# Altium PCB roach2.PcbDoc (part 12 of 39)
Units mil, origin at the board's own origin, x right, y up, seen from the top; angles counter-clockwise.
Board outline 12007.87 x 9606.3 mil, 16 copper layers (L1_TOP, L2_G, L3_S, L4_G, L5_S, L6_P, L7_G, L8_R, L9_R, L10_P, L11_P, L12_S, L13_P, L14_S, L15_G, L16_BOT), stack 81.651 mil thick; 1608 components, 1934 nets, 9335 pads, 6759 vias.
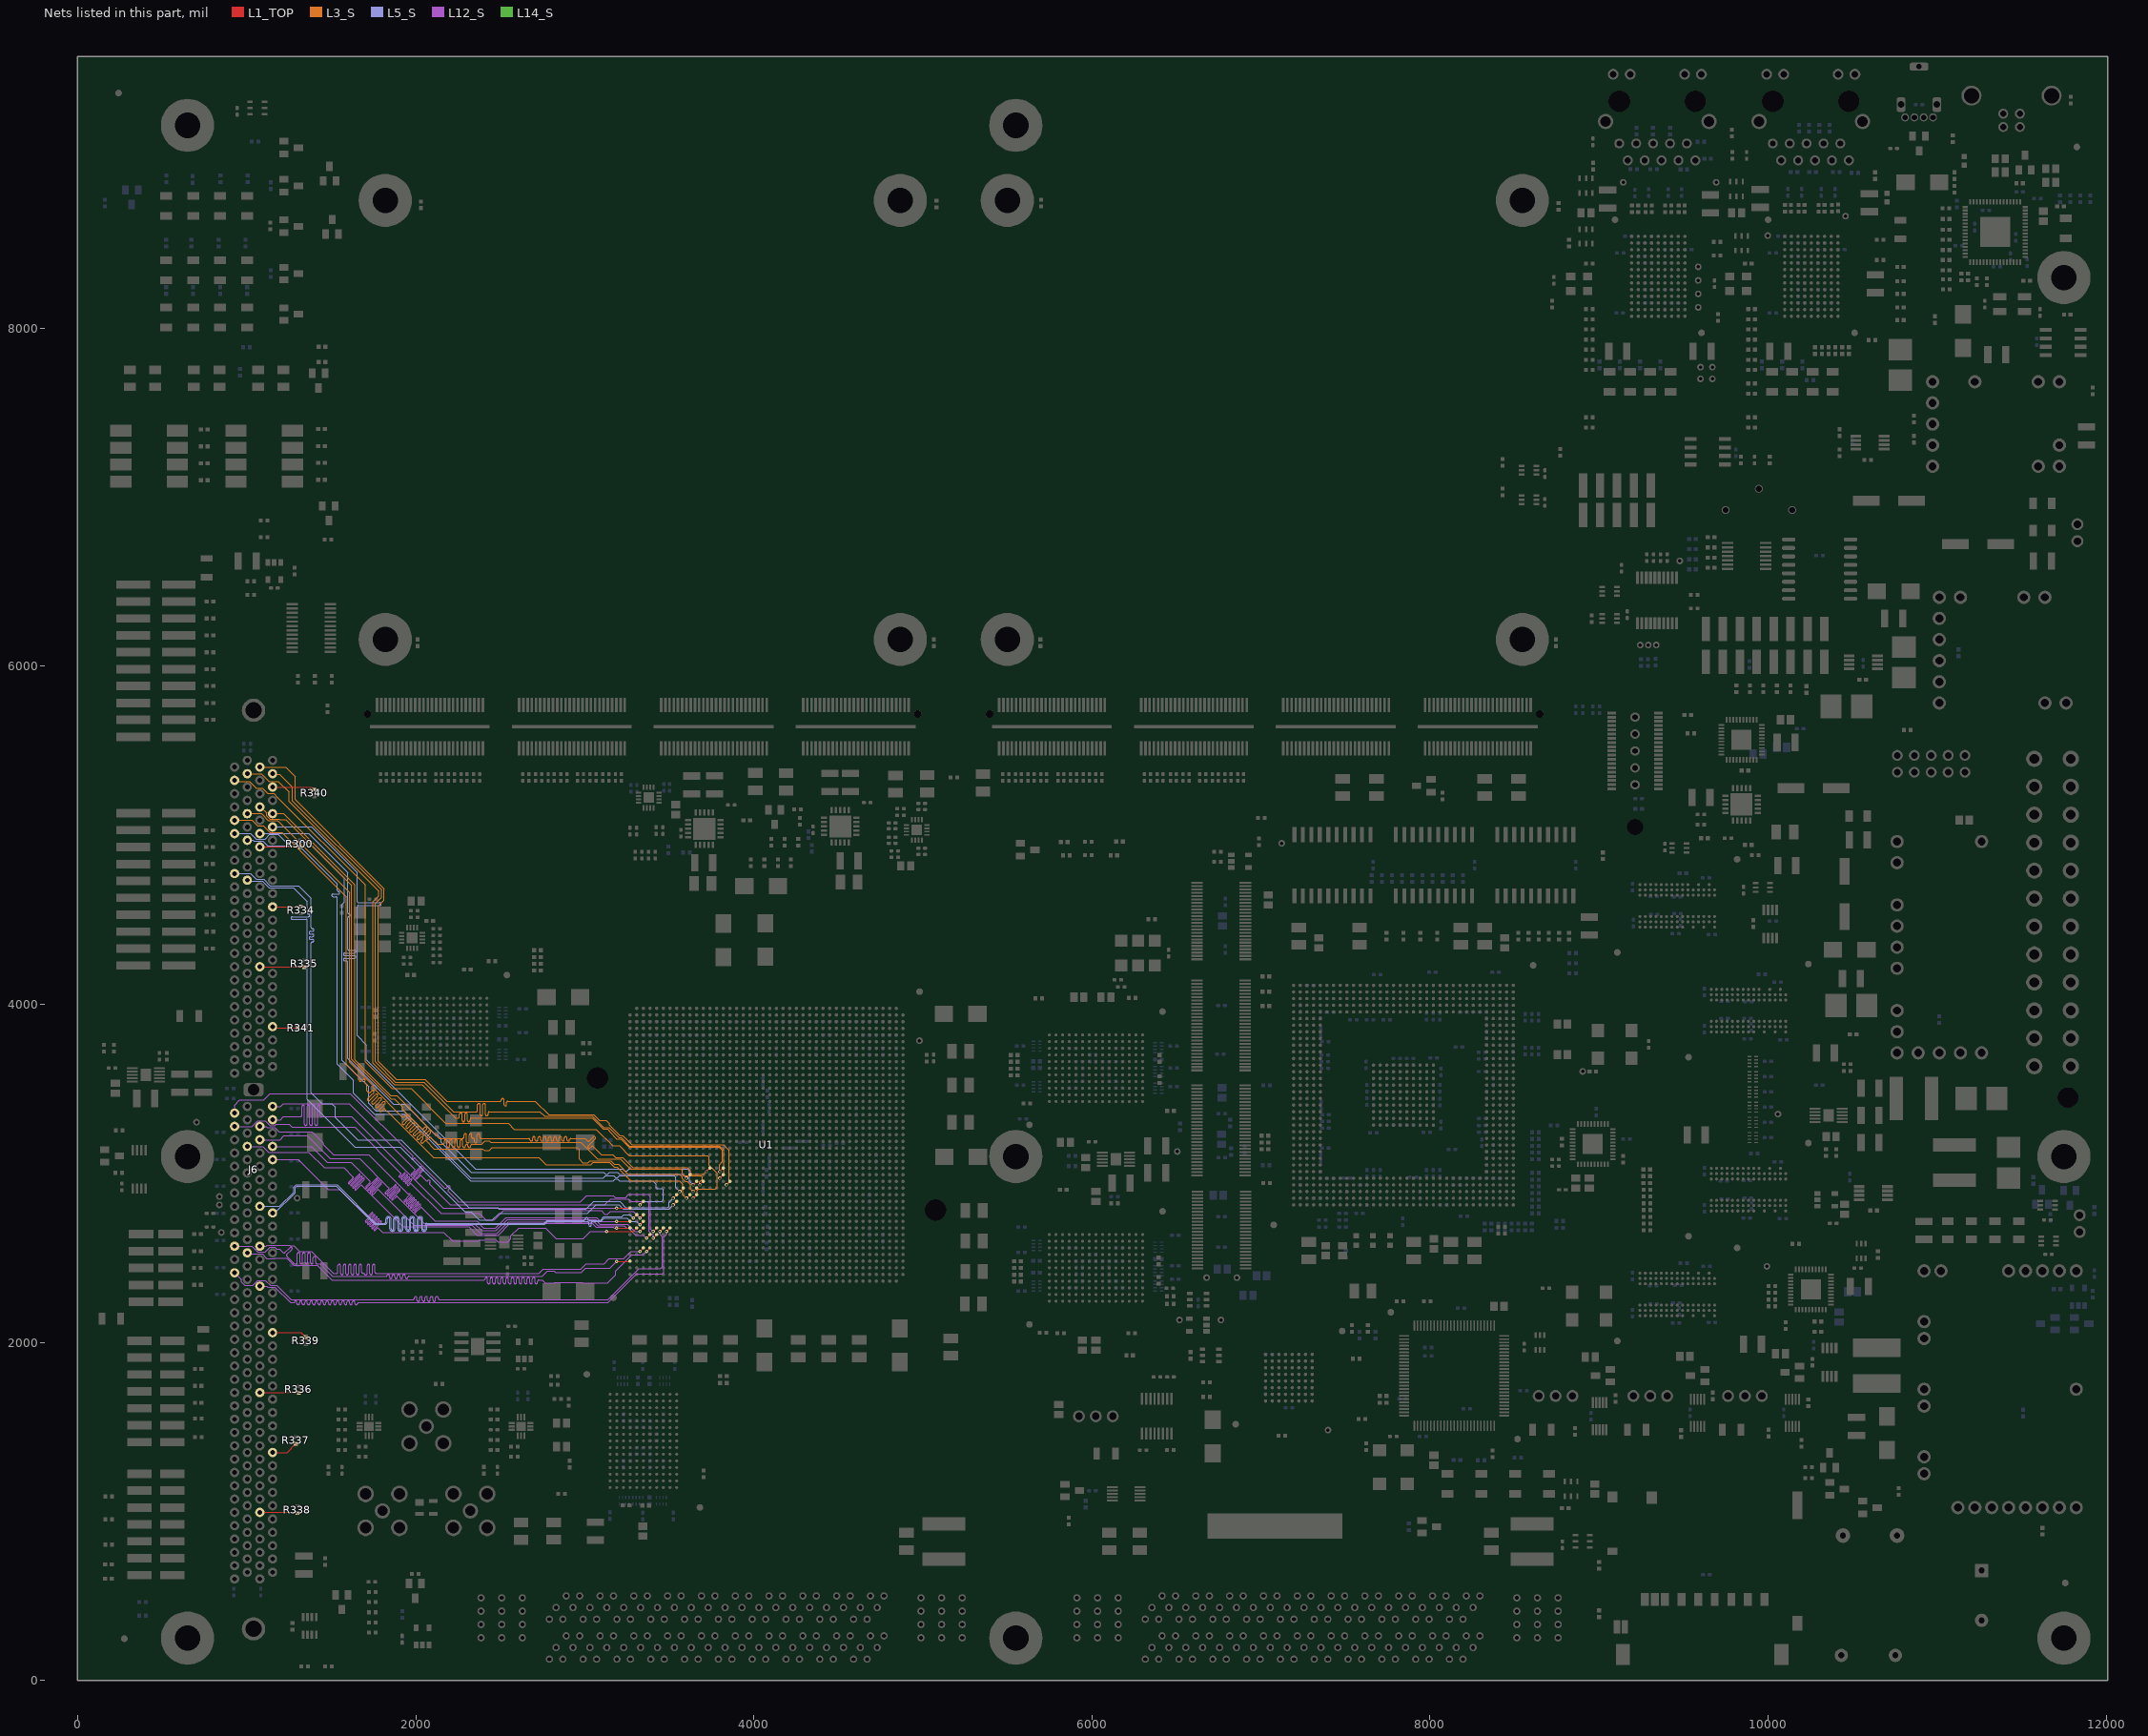
[diagram p26: the nets of this part, all layers, seen from the top]

## Via types
v1: diameter 19.4, hole 10, L1_TOP to L16_BOT, tented both sides, 3354 vias
v2: diameter 19.4, hole 10, L1_TOP to L16_BOT, 1884 vias
v3: diameter 19.4, hole 10, L1_TOP to L16_BOT, tented top, 410 vias
v4: diameter 18.6, hole 10, L1_TOP to L16_BOT, tented both sides, 311 vias
v5: diameter 59.06, hole 39.37, L1_TOP to L16_BOT, 217 vias
v6: diameter 19, hole 10, L1_TOP to L16_BOT, 198 vias
v7: diameter 19.4, hole 10.04, L1_TOP to L16_BOT, 125 vias
v8: diameter 19.4, hole 10, L1_TOP to L16_BOT, tented bottom, 80 vias
v9: diameter 25.98, hole 12.99, L1_TOP to L16_BOT, tented top, 59 vias
v10: diameter 20, hole 10, L1_TOP to L16_BOT, 52 vias
v11: diameter 59.06, hole 39.37, L1_TOP to L16_BOT, tented top, 44 vias
v12: diameter 20, hole 10, L1_TOP to L16_BOT, tented top, 16 vias
v13: diameter 19, hole 10, L1_TOP to L16_BOT, tented top, 5 vias
v14: diameter 50, hole 28, L1_TOP to L16_BOT, 4 vias

## Nets (pads, with @x,y where several pads share a name; then routed paths per layer and width w, separated by ;. In a path a pad name is that pad's centre, name@x,y a point inside that pad or via, vN(x,y) a via of type N, cw(c..) or ccw(c..) an arc to the next point about the centre after c; other vN are vias at no path point) (continued)
DDR3.A8: J6.177 U1.BA34 | length 3134.6
  L1_TOP w5: v2(3129.02,2655.94) 3286.5,2655.94 U1.BA34@3306.19,2675.63
  L12_S w3.8: J6.177@1152.6,3080.79 1305.2,3080.79 1480.99,2904.99 1548.99,2904.99 1710.11,2743.87 ccw(c1713.22,2746.98) 1716.34,2743.87 1739.28,2766.82 cw(c1742.39,2763.71) 1745.5,2766.82 cw(c1742.39,2763.71) 1745.5,2760.6 1703.39,2718.48 ; 1852.99,2650.99 1856.99,2650.99 ; v2(3129.02,2655.94) 3031.94,2655.94 2990.99,2614.99 2828.99,2614.99 2766.99,2676.99 2608.99,2676.99 2562.99,2630.99 2562.99,2614.37 2544.01,2595.39 2484.59,2595.39 2474.99,2604.99 2374.99,2604.99 2368.99,2598.99 2216.99,2598.99 2164.99,2650.99 1856.99,2650.99 ; 1703.39,2712.26 ccw(c1706.5,2715.37) 1709.61,2712.26 1725.67,2728.32 1751.73,2754.37 cw(c1754.84,2751.26) 1757.95,2754.37 cw(c1754.84,2751.26) 1757.95,2748.15 1731.89,2722.09 1715.83,2706.04 ccw(c1718.95,2702.92) 1715.83,2699.81 ; 1703.39,2712.26 cw(c1706.5,2715.37) 1703.39,2718.48 ; 1703.39,2712.26 cw(c1706.5,2715.37) 1703.39,2718.48 ; 1715.83,2699.81 ccw(c1718.95,2702.92) 1722.06,2699.81 ; 1715.83,2699.81 ccw(c1718.95,2702.92) 1722.06,2699.81 ; 1722.06,2699.81 1764.17,2741.93 cw(c1767.28,2738.82) 1770.39,2741.93 cw(c1767.28,2738.82) 1770.39,2735.7 1744.34,2709.65 1728.28,2693.59 ; 1728.28,2687.37 ccw(c1731.39,2690.48) 1734.5,2687.37 1776.62,2729.48 cw(c1779.73,2726.37) 1782.84,2729.48 cw(c1779.73,2726.37) 1782.84,2723.26 1756.78,2697.2 1740.72,2681.14 ccw(c1743.84,2678.03) 1740.72,2674.92 ccw(c1743.84,2678.03) 1746.95,2674.92 1789.06,2717.04 ; 1728.28,2687.37 cw(c1731.39,2690.48) 1728.28,2693.59 ; 1728.28,2687.37 cw(c1731.39,2690.48) 1728.28,2693.59 ; 1772.34,2675.42 cw(c1775.45,2672.31) 1778.56,2675.42 ; 1772.34,2675.42 cw(c1775.45,2672.31) 1778.56,2675.42 ; 1772.34,2675.42 1759.39,2662.48 cw(c1756.28,2665.59) 1753.17,2662.48 cw(c1756.28,2665.59) 1753.17,2668.7 1769.23,2684.76 1795.28,2710.81 ccw(c1792.17,2713.93) 1795.28,2717.04 ; 1778.56,2675.42 1802.99,2650.99 1856.99,2650.99 ; 1789.06,2717.04 cw(c1792.17,2713.93) 1795.28,2717.04 ; 1789.06,2717.04 cw(c1792.17,2713.93) 1795.28,2717.04
DDR3.A9: J6.175 U1.AW35 | length 3127.6
  L1_TOP w5: v1(3365.24,2616.57) U1.AW35@3384.93,2636.26
  L12_S w3.8: J6.175@1152.6,3159.53 1382.46,3159.53 1476.99,3064.99 1552.99,3064.99 ; 1550.99,3064.99 1552.99,3064.99 ; v1(3365.24,2616.57) 3346.82,2634.99 3300.99,2634.99 3258.99,2676.99 3246.99,2676.99 3232.75,2691.23 3076.75,2691.23 3054.99,2712.99 2546.99,2712.99 2478.99,2644.99 2380.99,2644.99 2332.99,2692.99 1988.99,2692.99 1779.9,2902.08 ccw(c1776.79,2898.97) 1773.68,2902.08 1748.84,2877.24 cw(c1745.73,2880.35) 1742.62,2877.24 cw(c1745.73,2880.35) 1742.62,2883.47 1797.52,2938.37 ccw(c1794.41,2941.48) 1797.52,2944.59 ccw(c1794.41,2941.48) 1791.3,2944.59 1736.4,2889.69 cw(c1733.28,2892.8) 1730.17,2889.69 cw(c1733.28,2892.8) 1730.17,2895.91 1758.12,2923.86 1785.07,2950.81 ; 1552.99,3064.99 1616.99,3064.99 1730.12,2951.86 ; 1730.12,2945.64 ccw(c1727.01,2948.75) 1730.12,2951.86 ; 1730.12,2945.64 ccw(c1727.01,2948.75) 1730.12,2951.86 ; 1730.12,2945.64 1705.28,2920.8 ccw(c1708.39,2917.69) 1705.28,2914.58 ccw(c1708.39,2917.69) 1711.51,2914.58 1766.41,2969.48 cw(c1769.52,2966.37) 1772.63,2969.48 ; 1772.63,2963.26 ccw(c1769.52,2966.37) 1772.63,2969.48 ; 1772.63,2963.26 ccw(c1769.52,2966.37) 1772.63,2969.48 ; 1772.63,2963.26 1717.73,2908.36 ccw(c1720.84,2905.24) 1717.73,2902.13 ccw(c1720.84,2905.24) 1723.95,2902.13 1778.85,2957.03 ; 1778.85,2957.03 cw(c1781.96,2953.92) 1785.07,2957.03 ; 1778.85,2957.03 cw(c1781.96,2953.92) 1785.07,2957.03 ; 1785.07,2950.81 ccw(c1781.96,2953.92) 1785.07,2957.03 ; 1785.07,2950.81 ccw(c1781.96,2953.92) 1785.07,2957.03
DDR3.A10: J6.70 U1.BB39 | length 3137.7
  L1_TOP w5: v2(3188.08,2478.78) U1.BB39@3266.82,2478.78
  L12_S w3.8: J6.70@928.19,2568.98 1030.48,2568.98 1063.94,2535.52 1111.19,2535.52 1138.74,2563.07 1166.46,2563.07 1178.53,2550.99 1194.99,2550.99 1215.02,2530.96 ccw(c1220.54,2536.48) 1226.06,2530.96 1255.98,2560.88 cw(c1261.5,2555.36) 1267.02,2560.88 cw(c1261.5,2555.36) 1267.02,2549.84 1237.1,2519.92 ccw(c1242.62,2514.4) 1237.1,2508.88 1280.99,2464.99 1291,2464.99 ccw(c1291,2472.8) 1298.81,2472.8 1298.81,2523.29 cw(c1306.61,2523.29) 1306.61,2531.1 cw(c1306.61,2523.29) 1314.42,2523.29 1314.42,2472.8 ccw(c1322.22,2472.8) 1322.22,2464.99 ccw(c1322.22,2472.8) 1330.03,2472.8 1330.03,2521.96 cw(c1337.83,2521.96) 1337.83,2529.77 cw(c1337.83,2521.96) 1345.64,2521.96 1345.64,2472.8 ccw(c1353.44,2472.8) 1353.44,2464.99 ccw(c1353.44,2472.8) 1361.25,2472.8 1361.25,2521.96 cw(c1369.05,2521.96) 1369.05,2529.77 cw(c1369.05,2521.96) 1376.86,2521.96 1376.86,2472.8 ccw(c1384.67,2472.8) 1384.67,2464.99 ccw(c1384.67,2472.8) 1392.47,2472.8 1392.47,2499.64 cw(c1400.28,2499.64) 1400.28,2507.45 cw(c1400.28,2499.64) 1408.08,2499.64 1408.08,2472.8 ccw(c1415.89,2472.8) 1415.89,2464.99 1432.99,2464.99 1437.54,2460.44 ccw(c1438.51,2461.41) 1439.48,2460.44 cw(c1445,2454.92) 1450.52,2460.44 cw(c1445,2454.92) 1450.52,2449.4 ccw(c1451.48,2448.43) 1450.52,2447.47 1506.99,2390.99 1826.4,2390.99 ccw(c1826.4,2393.39) 1828.8,2393.39 cw(c1836.6,2393.39) 1836.6,2401.19 cw(c1836.6,2393.39) 1844.41,2393.39 1844.41,2385.82 ccw(c1852.21,2385.82) 1852.21,2378.02 ccw(c1852.21,2385.82) 1860.02,2385.82 1860.02,2392.16 cw(c1867.83,2392.16) 1867.83,2399.97 cw(c1867.83,2392.16) 1875.63,2392.16 1875.63,2385.82 ccw(c1883.44,2385.82) 1883.44,2378.02 ccw(c1883.44,2385.82) 1891.24,2385.82 1891.24,2392.16 cw(c1899.05,2392.16) 1899.05,2399.97 cw(c1899.05,2392.16) 1906.85,2392.16 1906.85,2385.82 ccw(c1914.66,2385.82) 1914.66,2378.02 ccw(c1914.66,2385.82) 1922.46,2385.82 1922.46,2392.16 cw(c1930.27,2392.16) 1930.27,2399.97 cw(c1930.27,2392.16) 1938.07,2392.16 1938.07,2385.82 ccw(c1945.88,2385.82) 1945.88,2378.02 ccw(c1945.88,2385.82) 1953.69,2385.82 ; 1953.69,2384.6 cw(c1960.08,2384.6) 1960.08,2390.99 2746.99,2390.99 2779.07,2423.07 2817.67,2423.07 2827.37,2413.37 2978.62,2413.37 3004.24,2438.99 3148.29,2438.99 v2(3188.08,2478.78) ; 1953.69,2384.87 1953.69,2385.55
DDR3.A11: J6.55 U1.BB34 | length 3134.6
  L1_TOP w5: v2(3188.08,2675.63) U1.BB34@3266.82,2675.63
  L12_S w3.8: J6.55@1002.99,3159.53 1094.46,3159.53 1128.99,3124.99 1366.99,3124.99 1458.99,3032.99 1574.99,3032.99 1629.21,2978.77 cw(c1626.1,2975.66) 1629.21,2972.55 1602.95,2946.29 ccw(c1606.06,2943.17) 1602.95,2940.06 ; v2(3188.08,2675.63) 3174.35,2675.63 3168.99,2680.99 3066.99,2680.99 3044.56,2703.42 2557.42,2703.42 2488.99,2634.99 2360.99,2634.99 2312.56,2683.42 1924.56,2683.42 1678.99,2928.99 ccw(c1675.88,2925.88) 1672.77,2928.99 1646.51,2902.73 cw(c1643.39,2905.84) 1640.28,2902.73 ; 1602.95,2940.06 ccw(c1606.06,2943.17) 1609.17,2940.06 ; 1602.95,2940.06 ccw(c1606.06,2943.17) 1609.17,2940.06 ; 1609.17,2940.06 1663.92,2994.81 cw(c1667.03,2991.7) 1670.14,2994.81 cw(c1667.03,2991.7) 1670.14,2988.59 1615.39,2933.84 ; 1615.39,2927.62 ccw(c1618.5,2930.73) 1621.62,2927.62 1676.37,2982.37 ; 1615.39,2927.62 cw(c1618.5,2930.73) 1615.39,2933.84 ; 1615.39,2927.62 cw(c1618.5,2930.73) 1615.39,2933.84 ; 1627.84,2915.17 cw(c1630.95,2918.28) 1627.84,2921.4 1657.21,2950.77 1682.59,2976.15 ccw(c1679.48,2979.26) 1682.59,2982.37 ; 1627.84,2915.17 ccw(c1630.95,2918.28) 1634.06,2915.17 ; 1627.84,2915.17 ccw(c1630.95,2918.28) 1634.06,2915.17 ; 1634.06,2915.17 1688.81,2969.92 cw(c1691.92,2966.81) 1695.03,2969.92 cw(c1691.92,2966.81) 1695.03,2963.7 1640.28,2908.95 ; 1640.28,2902.73 cw(c1643.39,2905.84) 1640.28,2908.95 ; 1640.28,2902.73 cw(c1643.39,2905.84) 1640.28,2908.95 ; 1676.37,2982.37 cw(c1679.48,2979.26) 1682.59,2982.37 ; 1676.37,2982.37 cw(c1679.48,2979.26) 1682.59,2982.37
DDR3.A12: J6.174 U1.AY34 | length 3134.5
  L1_TOP w5: v1(3325.87,2655.94) U1.AY34@3345.56,2675.63
  L12_S w3.8: J6.174@1077.8,3198.9 1196.9,3198.9 1220.99,3222.99 1356.99,3222.99 1492.99,3086.99 1666.99,3086.99 1840.7,2913.28 cw(c1837.59,2910.17) 1840.7,2907.06 1820.19,2886.55 ccw(c1823.3,2883.44) 1820.19,2880.32 ; v1(3325.87,2655.94) 3296.04,2655.94 3252.58,2699.4 3090.58,2699.4 3062.99,2726.99 2540.99,2726.99 2474.99,2660.99 2388.99,2660.99 2344.99,2704.99 2048.99,2704.99 1890.48,2863.5 ccw(c1887.37,2860.39) 1884.26,2863.5 1863.75,2842.99 cw(c1860.64,2846.1) 1857.53,2842.99 ; 1820.19,2880.32 ccw(c1823.3,2883.44) 1826.41,2880.32 ; 1820.19,2880.32 ccw(c1823.3,2883.44) 1826.41,2880.32 ; 1826.41,2880.32 1850.04,2903.95 1876.66,2930.57 cw(c1879.77,2927.46) 1882.88,2930.57 cw(c1879.77,2927.46) 1882.88,2924.35 1856.26,2897.72 1832.64,2874.1 ; 1832.64,2867.88 ccw(c1835.75,2870.99) 1838.86,2867.88 1862.48,2891.5 1889.1,2918.13 ; 1832.64,2867.88 cw(c1835.75,2870.99) 1832.64,2874.1 ; 1832.64,2867.88 cw(c1835.75,2870.99) 1832.64,2874.1 ; 1845.08,2855.43 cw(c1848.19,2858.55) 1845.08,2861.66 1868.7,2885.28 1895.33,2911.9 ccw(c1892.22,2915.01) 1895.33,2918.13 ; 1845.08,2855.43 ccw(c1848.19,2858.55) 1851.3,2855.43 ; 1845.08,2855.43 ccw(c1848.19,2858.55) 1851.3,2855.43 ; 1851.3,2855.43 1874.93,2879.06 1901.55,2905.68 cw(c1904.66,2902.57) 1907.77,2905.68 cw(c1904.66,2902.57) 1907.77,2899.46 1881.15,2872.83 1857.53,2849.21 ; 1857.53,2842.99 cw(c1860.64,2846.1) 1857.53,2849.21 ; 1857.53,2842.99 cw(c1860.64,2846.1) 1857.53,2849.21 ; 1889.1,2918.13 cw(c1892.22,2915.01) 1895.33,2918.13 ; 1889.1,2918.13 cw(c1892.22,2915.01) 1895.33,2918.13
DDR3.A13: J6.196 U1.AT34 | length 3145.5
  L1_TOP w5: v1(3483.35,2655.94) U1.AT34@3503.04,2675.63
  L12_S w3.8: J6.196@1077.8,2332.76 1117.23,2332.76 1123.14,2326.85 1166.46,2326.85 1258.31,2234.99 1273,2234.99 1278.41,2234.99 ccw(c1278.41,2237.39) 1280.81,2237.39 cw(c1288.61,2237.39) 1288.61,2245.19 cw(c1288.61,2237.39) 1296.42,2237.39 1296.42,2234.99 1296.42,2230.86 ccw(c1304.22,2230.86) 1304.22,2223.05 ccw(c1304.22,2230.86) 1312.03,2230.86 1312.03,2234.99 1312.03,2237.13 cw(c1319.83,2237.13) 1319.83,2244.93 cw(c1319.83,2237.13) 1327.64,2237.13 1327.64,2234.99 1327.64,2230.86 ccw(c1335.44,2230.86) 1335.44,2223.05 ccw(c1335.44,2230.86) 1343.25,2230.86 1343.25,2234.99 1343.25,2237.13 cw(c1351.05,2237.13) 1351.05,2244.93 cw(c1351.05,2237.13) 1358.86,2237.13 1358.86,2234.99 1358.86,2230.86 ccw(c1366.67,2230.86) 1366.67,2223.05 ccw(c1366.67,2230.86) 1374.47,2230.86 1374.47,2234.99 1374.47,2237.13 cw(c1382.28,2237.13) 1382.28,2244.93 cw(c1382.28,2237.13) 1390.08,2237.13 1390.08,2234.99 1390.08,2230.86 ccw(c1397.89,2230.86) 1397.89,2223.05 ccw(c1397.89,2230.86) 1405.69,2230.86 1405.69,2234.99 1405.69,2237.13 cw(c1413.5,2237.13) 1413.5,2244.93 cw(c1413.5,2237.13) 1421.3,2237.13 1421.3,2234.99 1421.3,2230.86 ccw(c1429.11,2230.86) 1429.11,2223.05 ccw(c1429.11,2230.86) 1436.92,2230.86 1436.92,2234.99 1436.92,2237.13 cw(c1444.72,2237.13) 1444.72,2244.93 cw(c1444.72,2237.13) 1452.53,2237.13 1452.53,2234.99 1452.53,2230.86 ccw(c1460.33,2230.86) 1460.33,2223.05 ccw(c1460.33,2230.86) 1468.14,2230.86 1468.14,2234.99 1468.14,2237.13 cw(c1475.94,2237.13) 1475.94,2244.93 cw(c1475.94,2237.13) 1483.75,2237.13 1483.75,2234.99 1483.75,2230.86 ccw(c1491.55,2230.86) 1491.55,2223.05 ccw(c1491.55,2230.86) 1499.36,2230.86 1499.36,2234.99 1499.36,2237.13 cw(c1507.16,2237.13) 1507.16,2244.93 cw(c1507.16,2237.13) 1514.97,2237.13 1514.97,2234.99 1514.97,2230.86 ccw(c1522.78,2230.86) 1522.78,2223.05 ccw(c1522.78,2230.86) 1530.58,2230.86 1530.58,2234.99 1530.58,2237.13 cw(c1538.39,2237.13) 1538.39,2244.93 cw(c1538.39,2237.13) 1546.19,2237.13 1546.19,2234.99 1546.19,2230.86 ccw(c1554,2230.86) 1554,2223.05 ccw(c1554,2230.86) 1561.8,2230.86 1561.8,2234.99 1561.8,2237.13 cw(c1569.61,2237.13) 1569.61,2244.93 cw(c1569.61,2237.13) 1577.41,2237.13 1577.41,2234.99 1577.41,2230.86 ccw(c1585.22,2230.86) 1585.22,2223.05 ccw(c1585.22,2230.86) 1593.03,2230.86 1593.03,2234.99 1593.03,2237.13 cw(c1600.83,2237.13) 1600.83,2244.93 cw(c1600.83,2237.13) 1608.64,2237.13 1608.64,2234.99 1608.64,2230.86 ccw(c1616.44,2230.86) 1616.44,2223.05 ccw(c1616.44,2230.86) 1624.25,2230.86 1624.25,2234.99 1624.25,2237.13 cw(c1632.05,2237.13) 1632.05,2244.93 cw(c1632.05,2237.13) 1639.86,2237.13 1639.86,2234.99 1639.86,2230.86 ccw(c1647.66,2230.86) 1647.66,2223.05 ccw(c1647.66,2230.86) 1655.47,2230.86 1655.47,2230.62 cw(c1659.87,2230.6) 1659.87,2234.99 1671,2234.99 1702.99,2234.99 ; 1700.99,2234.99 1702.99,2234.99 ; v1(3483.35,2655.94) 3483.35,2638.64 3467.75,2623.04 3467.75,2413.75 3458.12,2404.12 3306.12,2404.12 3136.99,2234.99 2148.19,2234.99 1702.99,2234.99
DDR3.A14: J6.172 U1.BB33 | length 3127.6
  L1_TOP w5: v2(3188.08,2715) U1.BB33@3266.82,2715
  L12_S w3.8: J6.172@1077.8,3277.64 1116.35,3277.64 1122.26,3271.73 1166.46,3271.73 1191.19,3246.99 1386.53,3246.99 1454.53,3178.99 1454.53,3168.32 1513.86,3108.99 1722.99,3108.99 1953.07,2878.92 ccw(c1956.18,2882.03) 1959.29,2878.92 1959.34,2878.97 cw(c1962.45,2875.86) 1965.56,2878.97 cw(c1962.45,2875.86) 1965.56,2872.74 1932.24,2839.42 ccw(c1935.35,2836.31) 1932.24,2833.2 ccw(c1935.35,2836.31) 1938.46,2833.2 1968.62,2863.36 1971.78,2866.52 ; v2(3188.08,2715) 3092.98,2715 3070.99,2736.99 2532.99,2736.99 2472.99,2676.99 2400.99,2676.99 2360.99,2716.99 2114.99,2716.99 2033.96,2798.02 ccw(c2030.85,2794.91) 2027.74,2798.02 2000.69,2770.98 cw(c1997.58,2774.09) 1994.47,2770.98 cw(c1997.58,2774.09) 1994.47,2777.2 2027.79,2810.52 ccw(c2024.68,2813.63) 2027.79,2816.74 ccw(c2024.68,2813.63) 2021.56,2816.74 1988.24,2783.42 cw(c1985.13,2786.53) 1982.02,2783.42 cw(c1985.13,2786.53) 1982.02,2789.64 2012.18,2819.8 2015.34,2822.96 ; 1971.78,2866.52 cw(c1974.89,2863.41) 1978.01,2866.52 ; 1971.78,2866.52 cw(c1974.89,2863.41) 1978.01,2866.52 ; 1978.01,2866.52 cw(c1974.89,2863.41) 1978.01,2860.3 1944.69,2826.98 ccw(c1947.8,2823.87) 1944.69,2820.76 ccw(c1947.8,2823.87) 1950.91,2820.76 1984.23,2854.08 cw(c1987.34,2850.96) 1990.45,2854.08 ; 1990.45,2847.85 ccw(c1987.34,2850.96) 1990.45,2854.08 ; 1990.45,2847.85 ccw(c1987.34,2850.96) 1990.45,2854.08 ; 1990.45,2847.85 1987.29,2844.69 1957.13,2814.53 ccw(c1960.24,2811.42) 1957.13,2808.31 ccw(c1960.24,2811.42) 1963.35,2808.31 1993.51,2838.47 1996.67,2841.63 ; 1996.67,2841.63 cw(c1999.78,2838.52) 2002.9,2841.63 ; 1996.67,2841.63 cw(c1999.78,2838.52) 2002.9,2841.63 ; 2002.9,2841.63 cw(c1999.78,2838.52) 2002.9,2835.41 1969.58,2802.09 ccw(c1972.69,2798.98) 1969.58,2795.87 ccw(c1972.69,2798.98) 1975.8,2795.87 2009.12,2829.19 cw(c2012.23,2826.07) 2015.34,2829.19 ; 2015.34,2822.96 ccw(c2012.23,2826.07) 2015.34,2829.19 ; 2015.34,2822.96 ccw(c2012.23,2826.07) 2015.34,2829.19
DDR3.A15: J6.171 U1.BB31 | length 3145.5
  L1_TOP w5: v2(3188.08,2793.74) U1.BB31@3266.82,2793.74
  L12_S w3.8: J6.171@1152.6,3317.01 1199.01,3317.01 1216.99,3334.99 1318,3334.99 ccw(c1318,3342.8) 1325.81,3342.8 1325.81,3395.17 cw(c1333.61,3395.17) 1333.61,3402.98 cw(c1333.61,3395.17) 1341.42,3395.17 1341.42,3334.99 1341.42,3291.24 ccw(c1349.22,3291.24) 1349.22,3283.43 ccw(c1349.22,3291.24) 1357.03,3291.24 1357.03,3334.99 1357.03,3395.17 cw(c1364.83,3395.17) 1364.83,3402.98 cw(c1364.83,3395.17) 1372.64,3395.17 1372.64,3334.99 1372.64,3291.24 ccw(c1380.44,3291.24) 1380.44,3283.43 ccw(c1380.44,3291.24) 1388.25,3291.24 1388.25,3334.99 1388.25,3395.17 cw(c1396.05,3395.17) 1396.05,3402.98 cw(c1396.05,3395.17) 1403.86,3395.17 1403.86,3334.99 1403.86,3291.24 ccw(c1411.67,3291.24) 1411.67,3283.43 ccw(c1411.67,3291.24) 1419.47,3291.24 1419.47,3334.99 1419.47,3395.17 cw(c1427.28,3395.17) 1427.28,3402.98 cw(c1427.28,3395.17) 1435.08,3395.17 1435.08,3342.8 ccw(c1442.89,3342.8) 1442.89,3334.99 1500,3334.99 1618.99,3334.99 2160.24,2793.74 v2(3188.08,2793.74)
DDR3.BA0: J6.71 U1.AW37 | length 3143
  L1_TOP w5: v1(3365.24,2537.83) U1.AW37@3384.93,2557.52
  L12_S w3.8: J6.71@1002.99,2529.61 1008.9,2523.7 1091.66,2523.7 1119.2,2496.15 1166.46,2496.15 1167.3,2496.99 1237.96,2496.99 1277.76,2457.19 1416.79,2457.19 1504.99,2368.99 2401,2368.99 2402.41,2368.99 ccw(c2402.41,2375.39) 2408.81,2375.39 cw(c2416.61,2375.39) 2416.61,2383.19 cw(c2416.61,2375.39) 2424.42,2375.39 2424.42,2368.99 2424.42,2354.6 ccw(c2432.22,2354.6) 2432.22,2346.79 ccw(c2432.22,2354.6) 2440.03,2354.6 2440.03,2368.99 2440.03,2375.39 cw(c2447.83,2375.39) 2447.83,2383.19 cw(c2447.83,2375.39) 2455.64,2375.39 2455.64,2368.99 2455.64,2354.6 ccw(c2463.44,2354.6) 2463.44,2346.79 ccw(c2463.44,2354.6) 2471.25,2354.6 2471.25,2368.99 2471.25,2375.39 cw(c2479.05,2375.39) 2479.05,2383.19 cw(c2479.05,2375.39) 2486.86,2375.39 2486.86,2368.99 2486.86,2354.6 ccw(c2494.67,2354.6) 2494.67,2346.79 ccw(c2494.67,2354.6) 2502.47,2354.6 2502.47,2368.99 2502.47,2375.39 cw(c2510.28,2375.39) 2510.28,2383.19 cw(c2510.28,2375.39) 2518.08,2375.39 2518.08,2368.99 2518.08,2354.6 ccw(c2525.89,2354.6) 2525.89,2346.79 ccw(c2525.89,2354.6) 2533.69,2354.6 2533.69,2368.99 2533.69,2375.39 cw(c2541.5,2375.39) 2541.5,2383.19 cw(c2541.5,2375.39) 2549.3,2375.39 2549.3,2368.99 2549.3,2354.6 ccw(c2557.11,2354.6) 2557.11,2346.79 ccw(c2557.11,2354.6) 2564.92,2354.6 2564.92,2368.99 2564.92,2375.39 cw(c2572.72,2375.39) 2572.72,2383.19 cw(c2572.72,2375.39) 2580.53,2375.39 2580.53,2368.99 2580.53,2354.6 ccw(c2588.33,2354.6) 2588.33,2346.79 ccw(c2588.33,2354.6) 2596.14,2354.6 2596.14,2368.99 2596.14,2375.39 cw(c2603.94,2375.39) 2603.94,2383.19 cw(c2603.94,2375.39) 2611.75,2375.39 2611.75,2368.99 2611.75,2354.6 ccw(c2619.55,2354.6) 2619.55,2346.79 ccw(c2619.55,2354.6) 2627.36,2354.6 2627.36,2368.99 2627.36,2375.39 cw(c2635.16,2375.39) 2635.16,2383.19 cw(c2635.16,2375.39) 2642.97,2375.39 2642.97,2368.99 2642.97,2354.6 ccw(c2650.78,2354.6) 2650.78,2346.79 ccw(c2650.78,2354.6) 2658.58,2354.6 2658.58,2368.99 2658.58,2375.39 cw(c2666.39,2375.39) 2666.39,2383.19 cw(c2666.39,2375.39) 2674.19,2375.39 2674.19,2368.99 2674.19,2354.6 ccw(c2682,2354.6) 2682,2346.79 ccw(c2682,2354.6) 2689.8,2354.6 2689.8,2368.99 2689.8,2375.39 cw(c2697.61,2375.39) 2697.61,2383.19 cw(c2697.61,2375.39) 2705.41,2375.39 2705.41,2368.99 2705.41,2354.6 ccw(c2713.22,2354.6) 2713.22,2346.79 ccw(c2713.22,2354.6) 2721.03,2354.6 2721.03,2361.19 cw(c2728.83,2361.19) 2728.83,2368.99 2748.99,2368.99 2765.77,2352.21 2773.58,2352.21 2789.19,2352.21 2804.8,2352.21 2810,2352.21 2817.67,2352.21 2820.25,2354.79 2985.74,2354.79 2988.32,2352.21 3134.21,2352.21 3182.99,2400.99 3182.99,2420.99 3278.99,2516.99 3344.4,2516.99 v1(3365.24,2537.83)
DDR3.BA1: J6.190 U1.AY37 | length 3145.5
  L1_TOP w5: v1(3325.87,2537.83) U1.AY37@3345.56,2557.52
  L12_S w3.8: J6.190@1077.8,2568.98 1114.98,2568.98 1120.99,2574.99 1138.63,2574.99 1138.74,2574.89 1252.92,2574.89 1256.84,2570.96 1279.52,2570.96 1312.92,2537.56 1384.42,2537.56 1512.99,2408.99 1532,2408.99 ccw(c1532,2416.8) 1539.81,2416.8 1539.81,2453.63 cw(c1547.61,2453.63) 1547.61,2461.44 cw(c1547.61,2453.63) 1555.42,2453.63 1555.42,2408.99 1555.42,2408.35 ccw(c1563.22,2408.35) 1563.22,2400.55 ccw(c1563.22,2408.35) 1571.03,2408.35 1571.03,2408.99 1571.03,2453.63 cw(c1578.83,2453.63) 1578.83,2461.44 cw(c1578.83,2453.63) 1586.64,2453.63 1586.64,2408.99 1586.64,2408.35 ccw(c1594.44,2408.35) 1594.44,2400.55 ccw(c1594.44,2408.35) 1602.25,2408.35 1602.25,2408.99 1602.25,2453.63 cw(c1610.05,2453.63) 1610.05,2461.44 cw(c1610.05,2453.63) 1617.86,2453.63 1617.86,2408.99 1617.86,2408.35 ccw(c1625.67,2408.35) 1625.67,2400.55 ccw(c1625.67,2408.35) 1633.47,2408.35 1633.47,2408.99 1633.47,2453.63 cw(c1641.28,2453.63) 1641.28,2461.44 cw(c1641.28,2453.63) 1649.08,2453.63 1649.08,2408.99 1649.08,2408.35 ccw(c1656.89,2408.35) 1656.89,2400.55 ccw(c1656.89,2408.35) 1664.69,2408.35 1664.69,2408.99 1664.69,2453.63 cw(c1672.5,2453.63) 1672.5,2461.44 cw(c1672.5,2453.63) 1680.3,2453.63 1680.3,2416.8 ccw(c1688.11,2416.8) 1688.11,2408.99 1688.59,2408.99 1694,2408.99 cw(c1694,2406.6) 1696.4,2406.6 ccw(c1704.2,2406.6) 1704.2,2398.79 ccw(c1704.2,2406.6) 1712.01,2406.6 1712.01,2408.99 1712.01,2453.63 cw(c1719.81,2453.63) 1719.81,2461.44 cw(c1719.81,2453.63) 1727.62,2453.63 1727.62,2408.99 1727.62,2408.35 ccw(c1735.43,2408.35) 1735.43,2400.55 ccw(c1735.43,2408.35) 1743.23,2408.35 1743.23,2408.99 1743.23,2453.63 cw(c1751.04,2453.63) 1751.04,2461.44 cw(c1751.04,2453.63) 1758.84,2453.63 1758.84,2416.8 ccw(c1766.65,2416.8) 1766.65,2408.99 1789,2408.99 1856.99,2408.99 ; 1852.99,2408.99 1856.99,2408.99 ; v1(3325.87,2537.83) 3273.83,2537.83 3230.99,2494.99 3142.86,2494.99 3113.42,2465.55 3113.42,2465.42 3112.99,2464.99 3008.99,2464.99 2976.56,2432.56 2752.56,2432.56 2728.99,2408.99 1856.99,2408.99